# Altium PCB PS__INN3947CQ.PcbDoc (continued)
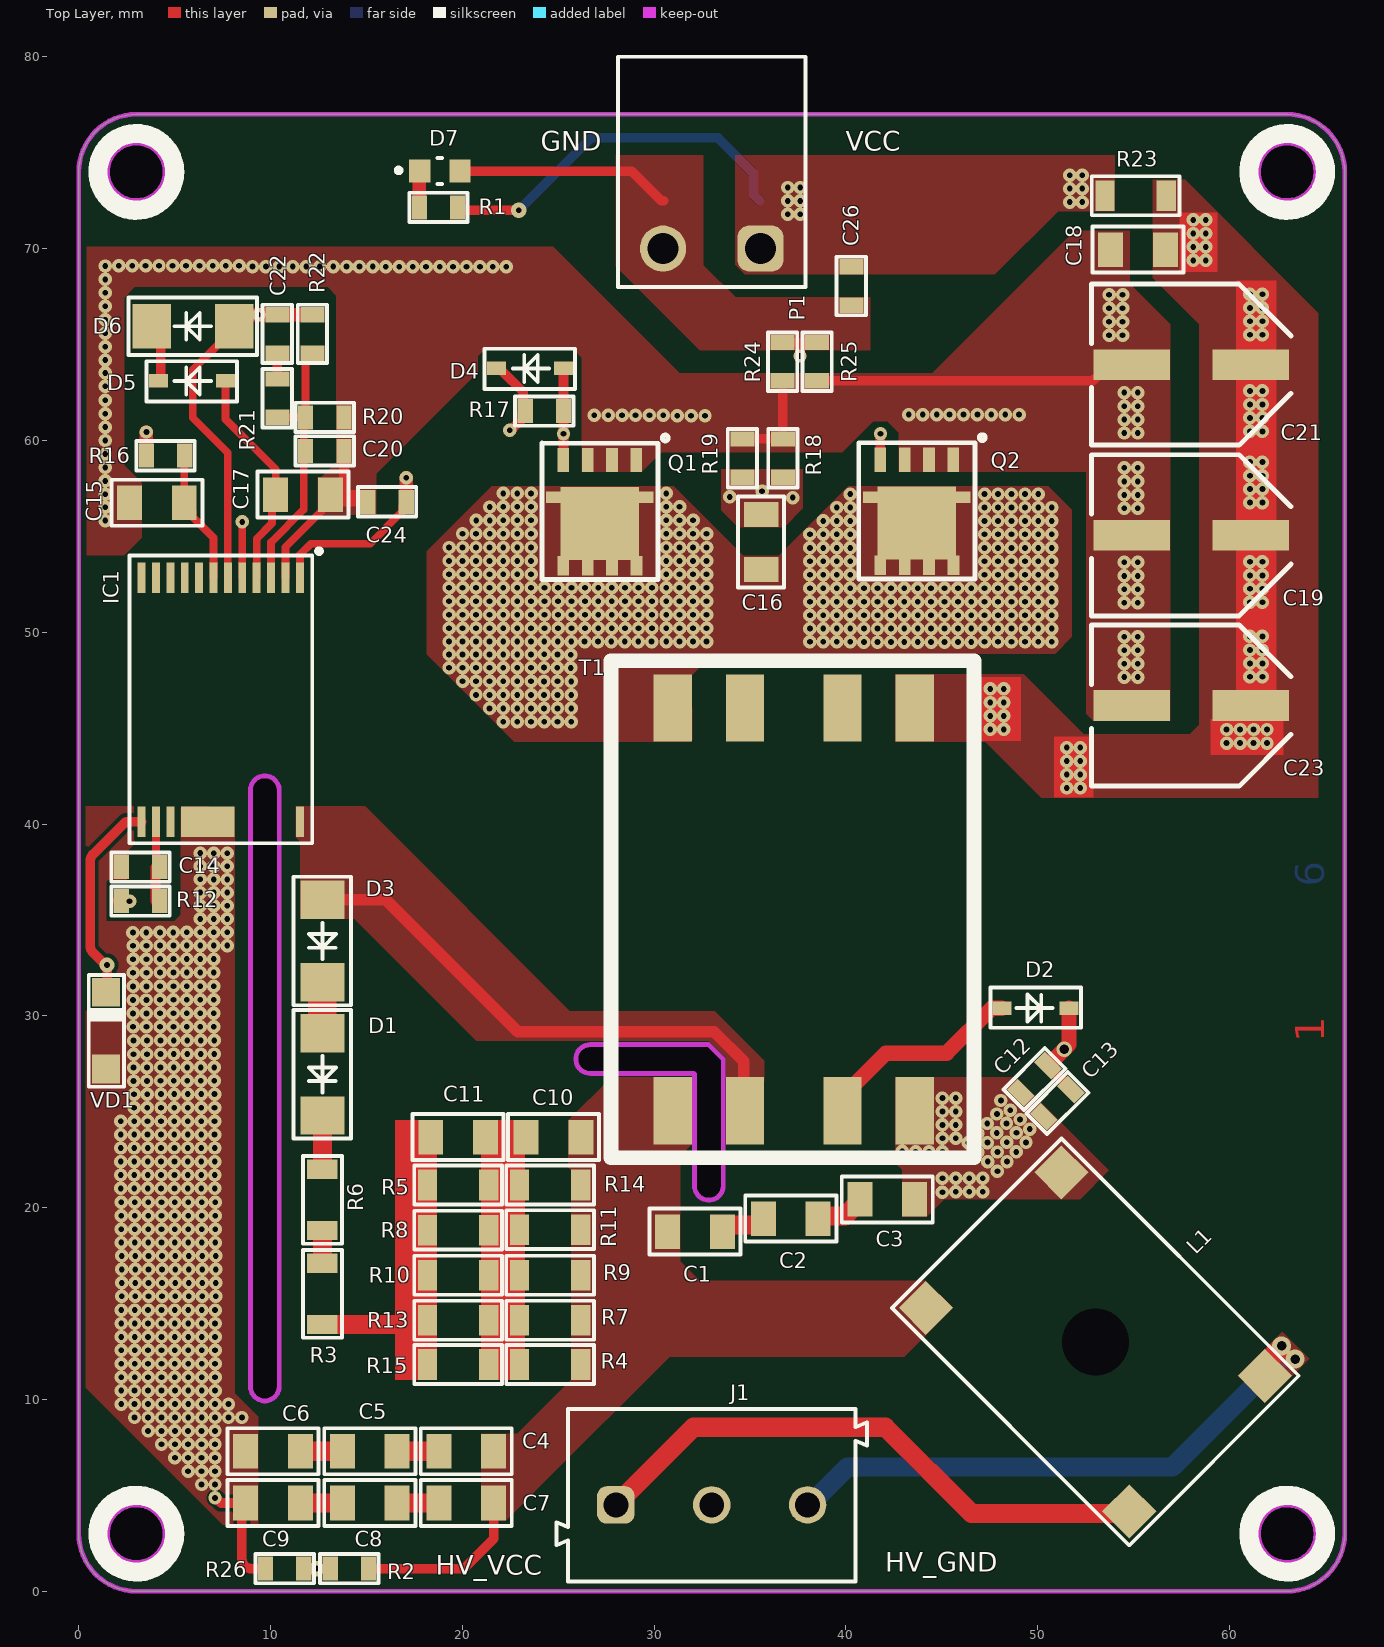
[diagram p0: Top Layer view]
## Components (designator, comment, footprint, x,y, rotation, side; value= is the part's Value field where it differs from the comment)
C1 "68nF 500V" CAP-1206 32.125,18.75 r0 top
C2 "68nF 500V" CAP-1206 37.125,19.425 r0 top
C3 "68nF 500V" CAP-1206 42.15,20.425 r0 top locked
C4 "68nF 500V" CAP-1206 20.202,7.3 r180 top
C5 "68nF 500V" CAP-1206 15.177,7.3 r180 top
C6 "68nF 500V" CAP-1206 10.127,7.3 r180 top
C7 "68nF 500V" CAP-1206 20.202,4.6 r180 top
C8 "68nF 500V" CAP-1206 15.177,4.6 r180 top
C9 "68nF 500V" CAP-1206 10.127,4.6 r180 top
C10 "6.8nF 630V" CAP-1206 24.75,23.675 r180 top
C11 "6.8nF 630V" CAP-1206 19.775,23.675 r180 top
C12 "10uF 50v" CAP-0805 49.825,26.7 r45 top
C13 "10uF 50v" CAP-0805 51.025,25.45 r45 top
C14 "4.7uF" CAP-0805 3.216,37.75 r0 top
C15 "330pF 630V" CAP-1206 4.075,56.75 r180 top
C16 "1500pF 630V" CAP-1206 35.57,54.7 r270 top
C17 "2,2uF" CAP-1206 11.69,57.175 r0 top
C18 "470nF 100V" CAP-1206 55.225,69.95 r0 top locked
C19 "470uF 25V" CAPPOL_SMD_SIZE_E 58,55.05 r180 top locked
C20 "330pF" CAP-0805 12.825,59.45 r0 top
C21 "470uF 25V" CAPPOL_SMD_SIZE_E 58,63.95 r180 top locked
C22 "10nF" CAP-0805 10.349,65.55 r90 top
C23 "470uF 25V" CAPPOL_SMD_SIZE_E 58,46.175 r180 top locked
C24 "330pF 16V" CAP-0805 16.075,56.8 r180 top
C26 "100nF 25V" CAP-0805 40.275,68.05 r270 top
D1 "NRVUS2MA" "DO-214AC, SMA" 12.7,26.95 r90 top
D2 "BAS21GWX" SOD-123 49.876,30.4 r180 top
D3 "NRVUS2MA" "DO-214AC, SMA" 12.7,33.9 r90 top
D4 "4148" SOD-123 23.525,63.751 r0 top
D5 "PDZ15BGWJ" SOD-123 5.9,63.1 r0 top
D6 "SS14" "DO-214AC, SMA" 5.95,65.95 r0 top
D7 "151031YS06000" LED_BLUE 18.825,74.05 r0 top
IC1 "INN3947CQ" INN3947CQ 7.4,46.425 r90 top locked
J1 "691101710003" 691101710003 33,5 r0 top locked
L1 "L_13x13mm" L_13x13mm 53,13 r135 top locked
P1 "691701530002B" 691701530002B 33,74 r180 top
Q1 "DMT15H017LPS" DMT15H017LPS_SWP 27.167,56.275 r180 top
Q2 "DMT15H017LPS" DMT15H017LPS_SWP 43.692,56.295 r180 top
R1 "10K" RES-0805 18.75,72.15 r0 top
R2 "1M" RES-0805 14.109,1.18 r180 top
R3 "7.5" RES-1206 12.7,15.5 r270 top
R4 "390K" RES-1206 24.575,11.825 r180 top
R5 "390K" RES-1206 19.775,21.175 r180 top
R6 "7.5" RES-1206 12.7,20.4 r270 top
R7 "390K" RES-1206 24.575,14.125 r180 top
R8 "390K" RES-1206 19.775,18.825 r180 top
R9 "390K" RES-1206 24.575,16.475 r180 top
R10 "390K" RES-1206 19.775,16.475 r180 top
R11 "390K" RES-1206 24.575,18.85 r180 top
R12 "8.2K" RES-0805 3.216,35.975 r180 top
R13 "390K" RES-1206 19.775,14.125 r180 top
R14 "390K" RES-1206 24.575,21.175 r180 top
R15 "390K" RES-1206 19.775,11.825 r180 top
R16 "100" RES-0805 4.524,59.2 r180 top
R17 "4,7" RES-0805 24.275,61.526 r0 top
R18 "12" RES-0805 36.705,59.075 r270 top
R19 "12" RES-0805 34.595,59.075 r270 top
R20 "9.1K" RES-0805 12.825,61.2 r0 top
R21 "10K" RES-0805 10.35,62.2 r90 top
R22 "100K" RES-0805 12.175,65.55 r90 top
R23 "0 Ohm   1%" RES-1206 55.1,72.753 r0 top
R24 "0.027" RES-0805 36.695,64.1 r270 top
R25 "0.027" RES-0805 38.495,64.1 r270 top
R26 "210K" RES-0805 10.734,1.18 r180 top
T1 "RM-6" TRANS_RM6 37.275,35.55 r90 top
VD1 "ZENER" SOD-80 1.425,29.225 r270 top

## Footprints (in the part's own frame and the unit in brackets; to place one, negate y for a bottom-side part, rotate by r counter-clockwise, add the part's x,y. Pads: shape width x height; smd on the part's side, far side on the other; paste and mask are expansions set on the pad)
691101710003 [mm] "5,00mm - modular - blue - Horizontal entry with pressure clamp - 12,6mm height - 03p"
  rrect50% 1.95x1.95 hole 1.3: 1(-5,-0.5)
  round 1.95 hole 1.3: 2(0,-0.5) 3(5,-0.5)
  silkscreen extent -8.1,-4.5 8.1,4.5, body extent -8.1,-4.5 8.1,4.5, height 12.65
691701530002B [mm] "THR - 5,08mm - PCB Horizontal Open - 02p"
  rrect50% 2.4x2.4 hole 1.6: 1(-2.54,4)
  round 2.4 hole 1.6: 2(2.54,4)
  silkscreen extent -4.88,-6 4.88,6, body extent -4.9,-6 4.86,6, height 8.6
CAP-0805 [mm]
  rect 0.8x1.25 smd mask+0.015: 1(-1,0) 2(1,0)
  silkscreen extent -1.52,-0.76 1.52,0.76, body extent -1,-0.62 1,0.63, height 0.8
CAP-1206 [mm]
  rect 1.3x1.8 smd: 1(-1.425,0) 2(1.425,0)
  silkscreen extent -2.37,-1.2 2.37,1.2, body extent -1.68,-0.87 1.67,0.87, height 0.95
CAPPOL_SMD_SIZE_E [mm]
  rect 4x1.6 smd: 1(-3.1,0) 2(3.1,0)
  silkscreen extent -5.2,-4.2 5.2,4.2, body extent -4.5,-4.15 4.5,4.15, height 6.2
DMT15H017LPS_SWP [mm]
  rect 0.61x1.27 smd: 1(1.905,-2.7) 3(-1.905,-2.7) 3(-0.635,-2.7) 3(0.635,-2.7)
  rect 0.61x1.02 smd: 2(-1.908,2.8) 2(-0.638,2.8) 2(0.632,2.8) 2(1.902,2.8)
  rect 4.1x3.81 smd: 2(0,0.6)
  rect 5.61x0.6 smd: 2(0,-0.75)
  silkscreen extent -3.56,-4 3.03,3.52, body extent -2.6,-3.3 2.6,3.31, height 1
"DO-214AC, SMA" [mm]
  rect 2x2.3 smd: 1(-2.15,0) 2(2.15,0)
  silkscreen extent -3.35,-1.5 3.35,1.5, body extent -2.74,-1.4 2.74,1.4, height 2.24
INN3947CQ [mm]
  rect 1.6x0.41 smd: 1(6.41,-4.125) 2(6.41,-3.375) 3(6.41,-2.625) 4(6.41,-1.875) 5(6.41,-1.125) 6(6.41,-0.375) 7(6.41,0.375) 8(6.41,1.125) 9(6.41,1.875) 10(6.41,2.625) 11(6.41,3.375) 12(6.41,4.125) 13(-6.31,4.125) 14(-6.31,3.375) 15(-6.31,2.625) 24(-6.31,-4.125)
  rect 1.6x2.81 smd: 16(-6.31,0.675)
  silkscreen extent -7.42,-5.25 7.92,4.75, body extent -6.72,-4.7 6.72,4.7, height 1.6
L_13x13mm [mm]
  round 2 hole 3.5: 0(0,0)
  rect 2x2 smd: 1(-7.5,5) 2(7.5,5) 3(-7.5,-5) 4(7.5,-5)
  silkscreen extent -8.75,-6.25 8.75,6.25, body extent -12.6,-12.56 12.6,12.56, height 7.5
LED_BLUE [mm]
  rect 1.1x1.2 smd paste+0 mask+0: 1(-1.05,0) 2(1.05,0)
  silkscreen extent -2.27,-0.67 0.13,0.67, body extent -1,-0.63 1,0.63, height 0.8
RES-0805 [mm]
  rect 0.8x1.25 smd mask+0.015: 1(-1,0) 2(1,0)
  silkscreen extent -1.52,-0.76 1.52,0.76, body extent -1,-0.62 1,0.63, height 0.6
RES-1206 [mm]
  rect 1x1.6 smd: 1(-1.6,0) 2(1.6,0)
  silkscreen extent -2.29,-1.02 2.29,1.02, body extent -1.6,-0.8 1.6,0.8, height 0.6
SOD-80 [mm]
  rect 1.5x1.45 smd: 1(-2,0) 2(2,0)
  silkscreen extent -2.9,-0.9 2.93,0.92, body extent -1.88,-0.79 1.82,0.79, height 1.6
SOD-123 [mm]
  rect 1x0.7 smd: 1(-1.75,0) 2(1.75,0)
  silkscreen extent -2.37,-1.08 2.35,1.02, body extent -1.98,-0.85 1.98,0.85, height 1.45
TRANS_RM6 [mm]
  rect 3.5x2 smd: 1(-10.5,6.3) 2(-10.5,2.54) 3(-10.5,-2.54) 4(-10.5,-6.3) 5(10.5,-6.3) 6(10.5,-2.54) 7(10.5,2.54) 8(10.5,6.3)
  silkscreen extent -12.95,-9.4 12.95,9.53, body extent -11,-9.08 11,9.08, height 12.68

## Part data
C1 C2 C3 C4 C5 C6 C7 C8 C9 C10 C11 C12 C13 C14 C15 C16 C17 C18 C20 C22 C24 C26: library part CAP-NON-POLAR
C19 C21 C23: library part CAP-POLAR
D1 D2 D3 D4 D5 D6: library part DIODE
D7: library part LED, "WURTH ELEKTRONIK - 151031YS06000 - LED, Yellow, Through Hole, T-1 (3mm), 30 mA, 2 V, 590 nm", Manufacturer_Name="Wurth Elektronik", Mouser Part Number=710-151031YS06000, Datasheet Link=https://katalog.we-online.de/led/datasheet/151031YS06000.pdf, Geometry.Height=5.5mm, Manufacturer_Part_Number=151031YS06000, Mouser Price/Stock=https://www.mouser.co.uk/ProductDetail/Wurth-Elektronik/151031YS06000?qs=LlUlMxKIyB3xSYYW%252BcuBiQ%3D%3D
J1: "WR-TBL Series 101 Horizontal Entry Modular, THT, pitch 5mm, 3p", Manufacturer="Wurth Elektronik", Operating Temperature Max=105°C, Operating Temperature Min=-40°C, Rated Current=16A, Working Voltage=250V, Application="Pressure Clamp", Category="Terminal Blocks", ComponentLink1Description="Website Link", ComponentLink1URL=https://www.we-online.com/redexpert/article/691101710003?ad, ComponentLink2Description="Datasheet Link", ComponentLink2URL=https://www.we-online.com/redexpert/spec/691101710003?ad, Manufacturer Part Number=691101710003, Match Code=WR-TBL, Modularity=Yes, Mount="Through Hole", Number of Pins=3, Number of Rows=1, Orientation=Horizontal, Packaging=Box, Pitch=5mm
P1: "WR-TBL Series 7015B Open Horizontal PCB Header, SMT, pitch 5.08mm, 2p", Manufacturer="Wurth Elektronik", Operating Temperature Max=105°C, Operating Temperature Min=-40°C, Rated Current=10A, Working Voltage=300V, Application=Pluggable, Category="Terminal Blocks", ComponentLink1Description="Website Link", ComponentLink1URL=https://www.we-online.com/redexpert/article/691701530002B?ad, ComponentLink2Description="Datasheet Link", ComponentLink2URL=https://www.we-online.com/redexpert/spec/691701530002B?ad, Manufacturer Part Number=691701530002B, Match Code=WR-TBL, Modularity=No, Mount="Surface Mount", Number of Pins=2, Number of Rows=1, Orientation=Horizontal, Packaging=Box, Pitch=5.08mm
R1 R2 R3 R4 R5 R6 R7 R8 R9 R10 R11 R12 R13 R14 R15 R16 R17 R18 R19 R20 R21 R22 R23 R24 R25 R26: library part RES-CONST
T1: library part RM_6_12-12-18-18

## Via types
v1: diameter 0.7, hole 0.3, Top Layer to Bottom Layer, tented both sides, 938 vias
v2: diameter 0.8, hole 0.3, Top Layer to Bottom Layer, tented both sides, 3 vias
v3: diameter 1, hole 0.5, Top Layer to Bottom Layer, tented both sides, 2 vias
v4: diameter 0.8, hole 0.5, Top Layer to Bottom Layer, tented both sides, 1 vias

## Nets (pads, with @x,y where several pads share a name; then routed paths per layer and width w, separated by ;. In a path a pad name is that pad's centre, name@x,y a point inside that pad or via, vN(x,y) a via of type N, cw(c..) or ccw(c..) an arc to the next point about the centre after c; other vN are vias at no path point)
GND: C3.2 C6.2 C9.2 C12.1 C13.1 C14.1 IC1.16 L1.4 R26.2 T1.4 VD1.2 | length 77.3
  Top Layer w0.5: v1(7.102,4.864) 7.156,4.864 7.419,4.6 C9.2 8.508,3.95 8.508,1.679 ccw(c9.008,1.679) 9.008,1.179 R26.2
  Mid-Layer 4 w0.5: 1.8,40.275 1.8,40.825 6.325,45.35 13.209,45.35 22.875,35.684 22.875,25.44 29.215,19.1 46.767,19.1 51.593,23.926
  other v1: 6.402,5.564 7.102,5.564 5.701,6.258 6.402,6.258 7.102,6.258 5.014,6.958 5.701,6.958 6.402,6.958 7.102,6.958 4.314,7.658 5.014,7.658 5.701,7.658 6.402,7.658 7.102,7.658 3.614,8.358 4.314,8.358 5.014,8.358 5.701,8.358 6.402,8.358 7.102,8.358 2.908,9.059 3.614,9.059 4.314,9.059 5.014,9.059 5.714,9.059 6.408,9.059 7.108,9.059 7.808,9.059 8.508,9.059 2.214,9.759 2.908,9.759 3.614,9.759 4.314,9.759 5.014,9.759 5.714,9.759 6.408,9.759 7.108,9.759 7.808,9.759 2.213,10.46 2.908,10.46 3.614,10.46 4.314,10.46 5.014,10.46 5.714,10.46 6.408,10.46 7.108,10.46 2.214,11.159 2.914,11.159 3.614,11.159 4.314,11.159 5.008,11.159 5.708,11.159 6.408,11.159 7.108,11.159 2.214,11.859 2.914,11.859 3.614,11.859 4.314,11.859 5.008,11.859 5.708,11.859 6.408,11.859 7.108,11.859 2.214,12.56 2.914,12.56 3.614,12.56 4.314,12.56 5.008,12.56 5.708,12.56 6.408,12.56 7.108,12.56 2.214,13.259 2.914,13.259 3.614,13.259 4.314,13.259 5.008,13.259 5.708,13.259 6.408,13.259 7.108,13.259 2.214,13.959 2.914,13.959 3.614,13.959 4.314,13.959 5.008,13.959 5.708,13.959 6.408,13.959 7.108,13.959 2.214,14.66 2.914,14.66 3.614,14.66 4.314,14.66 5.008,14.66 5.708,14.66 6.408,14.66 7.108,14.66 2.242,15.375 2.942,15.375 3.642,15.375 4.342,15.375 5.036,15.375 5.736,15.375 6.436,15.375 7.136,15.375 2.242,16.075 2.942,16.075 3.642,16.075 4.342,16.075 5.036,16.075 5.736,16.075 6.436,16.075 7.136,16.075 2.242,16.776 2.942,16.776 3.642,16.776 4.342,16.776 5.036,16.776 5.736,16.776 6.436,16.776 7.136,16.776 2.242,17.483 2.942,17.483 3.642,17.483 4.342,17.483 5.036,17.483 5.736,17.483 6.436,17.483 7.136,17.483 2.217,18.175 2.917,18.175 3.617,18.175 4.317,18.175 5.011,18.175 5.711,18.175 6.411,18.175 7.111,18.175 2.217,18.875 2.917,18.875 3.617,18.875 4.317,18.875 5.011,18.875 5.711,18.875 6.411,18.875 7.111,18.875 2.217,19.576 2.917,19.576 3.617,19.576 4.317,19.576 5.011,19.576 5.711,19.576 6.411,19.576 7.111,19.576 2.217,20.283 2.917,20.283 3.617,20.283 4.317,20.283 5.011,20.283 5.711,20.283 6.411,20.283 7.111,20.283 45.026,20.807 45.725,20.832 46.425,20.832 47.125,20.832 2.192,21 2.892,21 3.592,21 4.292,21 4.986,21 5.686,21 6.386,21 7.086,21 45.026,21.532 45.725,21.532 46.425,21.532 47.125,21.532 2.192,21.7 2.892,21.7 3.592,21.7 4.292,21.7 4.986,21.7 5.686,21.7 6.386,21.7 7.086,21.7 47.893,21.9 2.192,22.401 2.892,22.401 3.592,22.401 4.292,22.401 4.986,22.401 5.686,22.401 6.386,22.401 7.086,22.401 47.393,22.4 48.393,22.4 43.626,22.912 44.326,22.912 45.026,22.912 46.874,22.89 47.893,22.9 48.878,22.906 42.926,22.937 2.192,23.108 2.892,23.108 3.592,23.108 4.292,23.108 4.986,23.108 5.686,23.108 6.386,23.108 7.086,23.108 46.374,23.38 47.374,23.39 48.378,23.406 49.385,23.4 45.026,23.611 45.725,23.611 2.189,23.809 2.889,23.809 3.589,23.809 4.289,23.809 4.983,23.809 5.683,23.809 6.383,23.809 7.083,23.809 46.874,23.88 47.86,23.896 48.885,23.9 49.575,24.093 45.026,24.311 45.725,24.311 47.36,24.385 48.367,24.39 2.189,24.509 2.889,24.509 3.589,24.509 4.289,24.509 4.983,24.509 5.683,24.509 6.383,24.509 7.083,24.509 49.075,24.593 47.867,24.88 45.026,25.011 45.725,25.011 48.569,25.078 2.883,25.201 3.577,25.201 4.289,25.21 4.983,25.21 5.683,25.21 6.383,25.21 7.083,25.21 48.075,25.585 45.026,25.711 45.725,25.711 2.883,25.908 3.577,25.908 4.289,25.917 4.983,25.917 5.683,25.917 6.383,25.917 7.083,25.917 2.858,26.6 3.552,26.6 4.264,26.609 4.958,26.609 5.658,26.609 6.358,26.609 7.058,26.609 2.858,27.3 3.552,27.3 4.264,27.309 4.958,27.309 5.658,27.309 6.358,27.309 7.058,27.309 2.858,28.001 3.552,28.001 4.264,28.01 4.958,28.01 5.658,28.01 6.358,28.01 7.058,28.01 2.858,28.708 3.552,28.708 4.264,28.717 4.958,28.717 5.658,28.717 6.358,28.717 7.058,28.717 2.833,29.425 3.527,29.425 4.239,29.434 4.933,29.434 5.633,29.434 6.333,29.434 7.033,29.434 2.833,30.125 3.527,30.125 4.239,30.134 4.933,30.134 5.633,30.134 6.333,30.134 7.033,30.134 2.833,30.826 3.527,30.826 4.239,30.835 4.933,30.835 5.633,30.835 6.333,30.835 7.033,30.835 2.833,31.533 3.527,31.533 4.239,31.542 4.933,31.542 5.633,31.542 6.333,31.542 7.033,31.542 2.833,32.25 3.527,32.25 4.239,32.259 4.933,32.259 5.633,32.259 6.333,32.259 7.033,32.259 2.833,32.95 3.527,32.95 4.239,32.959 4.933,32.959 5.633,32.959 6.333,32.959 7.033,32.959 2.833,33.651 3.527,33.651 4.239,33.66 4.933,33.66 5.633,33.66 6.333,33.66 7.033,33.66 7.736,33.66 2.825,34.337 3.519,34.337 4.231,34.346 4.925,34.346 5.633,34.36 6.333,34.36 7.033,34.36 7.736,34.36 6.333,35.05 7.033,35.05 7.736,35.05 7.033,35.737 7.736,35.733 6.333,35.741 6.333,36.425 7.033,36.425 7.736,36.425 7.033,37.112 7.736,37.108 6.333,37.116 6.333,37.791 7.033,37.791 7.736,37.791 6.333,38.482 7.033,38.478 7.736,38.474
GND_1: C15.2 C17.2 C18.1 C19.2 C20.2 C21.2 C23.2 C24.2 IC1.2 Q1.3 Q2.3 R18.1 R19.1 R20.2 R24.2 R25.2 | length 33.1
  Top Layer w0.4: IC1.2 10.775,54.432 12.665,56.322 12.665,56.725 C17.2
  Top Layer w0.5: C17.2 13.49,56.8 C24.2 15.075,57.025 14.925,57.175 14.7,57.175 13.925,57.175 13.825,57.275 C20.2 ; R19.1 R18.1 36.695,60.085 R24.2 ; R25.2 52.857,63.1 53.15,63.393 53.15,63.4 53.7,63.95 C21.2
  other v1: 54.508,47.659 55.214,47.659 54.508,48.359 55.214,48.359 54.508,49.06 55.214,49.06 54.508,49.767 55.214,49.767 54.508,51.534 55.214,51.534 54.508,52.234 55.214,52.234 54.508,52.935 55.214,52.935 54.508,53.642 55.214,53.642 1.384,55.817 54.508,56.459 55.214,56.459 1.384,56.517 54.508,57.159 55.214,57.159 1.384,57.186 54.508,57.86 55.214,57.86 1.384,57.886 54.508,58.567 55.214,58.567 1.384,58.586 1.384,59.286 1.384,59.992 54.508,60.384 55.214,60.384 1.384,60.692 54.508,61.084 55.214,61.084 31.2,61.285 31.925,61.285 32.65,61.285 26.875,61.311 27.6,61.311 28.325,61.311 29.025,61.311 29.75,61.311 30.475,61.311 43.275,61.346 44,61.346 44.725,61.346 45.4,61.346 46.125,61.346 46.85,61.346 47.575,61.346 48.3,61.346 49.025,61.346 1.384,61.392 54.508,61.785 55.214,61.785 1.384,62.092 54.508,62.492 55.214,62.492 1.384,62.817 1.384,63.517 1.384,64.186 1.384,64.886 53.715,65.484 54.421,65.484 1.384,65.586 53.715,66.184 54.421,66.184 1.384,66.286 53.715,66.885 54.421,66.885 1.384,66.992 53.715,67.592 54.421,67.592 1.384,67.692 1.384,68.392 9.058,69.059 9.758,69.059 10.458,69.059 11.158,69.059 11.864,69.059 12.564,69.059 13.264,69.059 13.964,69.059 14.633,69.059 15.333,69.059 16.008,69.051 16.708,69.051 17.408,69.051 18.108,69.051 18.814,69.051 19.514,69.051 20.214,69.051 20.914,69.051 21.583,69.051 22.283,69.051 1.384,69.092 2.083,69.109 2.783,69.109 3.483,69.109 4.183,69.109 4.889,69.109 5.589,69.109 6.289,69.109 6.989,69.109 7.658,69.109 8.358,69.109
NetC1_1: C1.1 C4.1 C7.1 C10.1 L1.2 R2.1 R4.1 R7.1 R9.1 R11.1 R14.1 T1.1 | length 9
  Top Layer w0.5: R2.1 20.079,1.179 21.627,2.727 C7.1
NetC1_2: C1.2 C2.1 | length 2.1
  Top Layer w1: C1.2@33.675,19.1 35.4,19.1 35.55,19.25 C2.1@35.55,19.425
NetC2_2: C2.2 C3.1 | length 2.9
  Top Layer w1: C2.2@38.453,19.425 38.453,19.462 38.55,19.559 39.937,19.559 40.403,20.025 40.575,20.025 40.725,20.175 C3.1
NetC4_2: C4.2 C5.1 | length 2.2
  Top Layer w1: C5.1 C4.2
NetC5_2: C5.2 C6.1 | length 2.2
  Top Layer w1: C6.1 C5.2
NetC7_2: C7.2 C8.1 | length 2.2
  Top Layer w1: C8.1 C7.2
NetC8_2: C8.2 C9.1 | length 2.2
  Top Layer w1: C9.1 C8.2
NetC10_2: C10.2 C11.1 R4.2 R5.1 R7.2 R8.1 R9.2 R10.1 R11.2 R13.1 R14.2 R15.1 | length 25.9
  Top Layer w0.5: R15.1 R13.1 R10.1 R8.1 R5.1 21.375,23.5 C11.1 C10.2@22.875,23.675 ; R4.2 22.875,11.925 C10.2@22.875,23.675 ; C10.2 C10.2@22.875,23.675
NetC11_2: C11.2 R3.2 R5.2 R8.2 R10.2 R13.2 R15.2 | length 17.4
  Top Layer w0.5: R15.2 18.175,13.9 R13.2 R10.2 R8.2 R5.2 18.175,23.5 C11.2
  Top Layer w1: R3.2 R13.2@18.175,13.9
NetC12_2: C12.2 C13.2 D2.1 R12.2 | length 85.9
  Top Layer w0.5: R12.2@2,35.975 v1(2.65,35.975) ; C12.2 50.532,27.382 51.732,26.182 C13.2
  Top Layer w0.8: C12.2 v4(51.382,28.257) 51.626,28.501 D2.1
  Mid-Layer 4 w0.5: v1(2.65,35.975) 2.65,40.686 6.614,44.65 12.919,44.65 22.175,35.394 22.175,25.15 28.925,18.4 47.057,18.4 52.293,23.636 52.293,27.282 v4@51.35,28.225
NetC14_2: C14.2 IC1.14 R12.1 | length 4.1
  Top Layer w0.4: C14.2@4.025,37.775 IC1.14
  Top Layer w0.5: R12.1@4,35.975 C14.2@4,37.75
NetC15_1: C15.1 IC1.7 R16.1 | length 7
  Top Layer w0.4: R16.1 5.5,59.176 C15.1 5.95,56.3 5.95,56.005 7.025,54.93 IC1.7
NetC16_1: C16.1 R18.2 R19.2
  other v1: 37.225,57.019 33.935,57.05 35.625,57.345
NetC16_2: C16.2 Q1.2 Q2.2 R16.2 T1.8 | length 21.2
  Top Layer w0.7: R16.2 v1(3.525,60.438)
  Mid-Layer 2 w0.7: v1(3.525,60.438) 19.019,60.438 22.134,57.323 v1(22.134,57.237)
  other v1: 22.134,45.327 22.859,45.327 23.584,45.327 24.265,45.327 24.965,45.327 25.675,45.327 21.417,46.027 22.134,46.027 22.859,46.027 23.584,46.027 24.256,46.027 24.958,46.027 25.671,46.027 20.71,46.728 21.417,46.728 22.134,46.728 22.859,46.728 23.584,46.728 24.256,46.728 24.958,46.73 25.671,46.73 20.009,47.442 20.71,47.442 21.417,47.442 22.134,47.442 22.859,47.442 23.584,47.442 24.256,47.435 24.958,47.442 25.675,47.435 19.309,48.142 20.009,48.142 20.71,48.142 21.417,48.142 22.134,48.142 22.859,48.142 23.584,48.142 24.256,48.16 24.951,48.148 25.65,48.137 19.309,48.842 20.009,48.842 20.71,48.842 21.417,48.842 22.134,48.842 22.859,48.842 23.584,48.842 24.961,48.835 25.65,48.823 24.265,48.85 38.117,49.5 38.817,49.5 39.518,49.5 40.225,49.5 40.936,49.486 41.641,49.486 42.341,49.486 43.041,49.486 43.741,49.486 44.436,49.486 45.136,49.486 45.836,49.486 46.536,49.486 47.225,49.5 47.925,49.5 48.626,49.5 49.333,49.5 50.018,49.5 50.725,49.5 19.309,49.511 20.009,49.511 20.71,49.511 21.417,49.511 22.134,49.511 22.859,49.511 23.584,49.511 24.265,49.511 24.971,49.511 25.671,49.511 26.371,49.511 27.071,49.511 27.765,49.511 28.465,49.511 29.165,49.511 29.865,49.511 30.625,49.511 31.325,49.511 32.026,49.511 32.733,49.511 38.117,50.186 38.817,50.186 39.518,50.186 40.225,50.186 40.936,50.186 41.641,50.186 42.341,50.186 43.041,50.186 43.741,50.186 44.436,50.186 45.136,50.186 45.836,50.186 46.536,50.186 47.225,50.186 47.925,50.186 48.626,50.186 49.333,50.186 50.018,50.186 50.725,50.186 19.309,50.211 20.009,50.211 20.71,50.211 21.417,50.211 22.134,50.211 22.859,50.211 23.584,50.211 24.283,50.211 24.989,50.211 25.689,50.211 26.389,50.211 27.089,50.211 27.783,50.211 28.483,50.211 29.183,50.211 29.883,50.211 30.625,50.211 31.325,50.211 32.026,50.211 32.733,50.211 38.117,50.886 38.817,50.886 39.518,50.886 40.225,50.886 40.936,50.886 41.641,50.886 42.341,50.886 43.041,50.886 43.741,50.886 44.436,50.886 45.136,50.886 45.836,50.886 46.536,50.886 47.225,50.886 47.925,50.886 48.626,50.886 49.333,50.886 50.018,50.886 50.725,50.886 19.309,50.911 20.009,50.911 20.71,50.911 21.417,50.911 22.134,50.911 22.859,50.911 23.584,50.911 24.283,50.911 24.989,50.911 25.689,50.911 26.389,50.911 27.089,50.911 27.783,50.911 28.483,50.911 29.183,50.911 29.883,50.911 30.625,50.911 31.325,50.911 32.026,50.911 32.733,50.911 38.117,51.587 38.817,51.587 39.518,51.587 40.225,51.587 40.936,51.587 41.641,51.587 42.341,51.587 43.041,51.587 43.741,51.587 44.436,51.587 45.136,51.587 45.836,51.587 46.536,51.587 47.225,51.587 47.925,51.587 48.626,51.587 49.333,51.587 50.018,51.587 50.725,51.587 19.309,51.611 20.009,51.611 20.71,51.611 21.417,51.611 22.134,51.611 22.859,51.611 23.584,51.611 24.283,51.611 24.989,51.611 25.689,51.611 26.389,51.611 27.089,51.611 27.783,51.611 28.483,51.611 29.183,51.611 29.883,51.611 30.625,51.611 31.325,51.611 32.026,51.611 32.733,51.611 38.117,52.294 38.817,52.294 39.518,52.294 40.225,52.294 40.936,52.294 41.641,52.294 42.341,52.294 43.041,52.294 43.741,52.294 44.436,52.294 45.136,52.294 45.836,52.294 46.536,52.294 47.225,52.294 47.925,52.294 48.626,52.294 49.333,52.294 50.018,52.294 50.725,52.294 19.309,52.317 20.009,52.317 20.71,52.317 21.417,52.317 22.134,52.317 22.859,52.317 23.584,52.317 24.283,52.317 24.989,52.317 25.689,52.317 26.389,52.317 27.089,52.317 27.783,52.317 28.483,52.317 29.183,52.317 29.883,52.317 30.625,52.317 31.325,52.317 32.026,52.317 32.733,52.317 38.117,52.994 38.817,52.994 39.518,52.994 40.225,52.994 47.225,52.994 47.925,52.994 48.626,52.994 49.333,52.994 50.018,52.994 50.725,52.994 19.309,53.017 20.009,53.017 20.71,53.017 21.417,53.017 22.134,53.017 22.859,53.017 23.584,53.017 30.625,53.017 31.325,53.017 32.026,53.017 32.733,53.017 38.117,53.694 38.817,53.694 39.518,53.694 40.225,53.694 47.225,53.694 47.925,53.694 48.626,53.694 49.333,53.694 50.018,53.694 50.725,53.694 19.309,53.717 20.009,53.717 20.71,53.717 21.417,53.717 22.134,53.717 22.859,53.717 23.584,53.717 30.625,53.717 31.325,53.717 32.026,53.717 32.733,53.717 38.117,54.394 38.817,54.394 39.518,54.394 40.225,54.394 47.225,54.394 47.925,54.394 48.626,54.394 49.333,54.394 50.018,54.394 50.725,54.394 19.309,54.417 20.009,54.417 20.71,54.417 21.417,54.417 22.134,54.417 22.859,54.417 23.584,54.417 30.625,54.417 31.325,54.417 32.026,54.417 32.733,54.417 38.117,55.1 38.817,55.1 39.518,55.1 40.225,55.1 47.225,55.1 47.925,55.1 48.626,55.1 49.333,55.1 50.018,55.1 50.725,55.1 20.006,55.127 20.71,55.127 21.431,55.127 22.134,55.137 22.859,55.137 23.584,55.137 30.625,55.137 31.325,55.137 32.026,55.137 32.733,55.137 38.817,55.8 39.518,55.8 40.225,55.8 47.225,55.8 47.925,55.8 48.626,55.8 49.333,55.8 50.018,55.8 50.725,55.8 20.725,55.827 21.431,55.827 22.134,55.837 22.859,55.837 23.584,55.837 30.625,55.837 31.325,55.837 32.026,55.837 39.518,56.5 40.225,56.5 47.225,56.5 47.925,56.5 48.626,56.5 49.333,56.5 50.018,56.5 50.725,56.5 21.431,56.527 22.134,56.537 22.859,56.537 23.584,56.537 30.625,56.537 31.325,56.537 40.225,57.2 47.225,57.2 47.925,57.2 48.626,57.2 49.333,57.2 50.018,57.2 22.859,57.237 23.584,57.237 30.625,57.237
NetC17_1: C17.1 D5.2 IC1.4 | length 11.7
  Top Layer w0.4: D5.2@7.65,63.047 7.65,61.1 10.265,58.485 C17.1 10.075,56.985 10.075,55.675 9.275,54.875 IC1.4
NetC18_2: C18.2 C19.1 C21.1 C22.2 C23.1 D6.2 IC1.6 R22.2 R23.2 T1.5 | length 69.3
  Top Layer w0.4: IC1.6 7.775,59.35 5.95,61.175 5.95,63.675 7.275,65 7.3,65 8.1,65.8 D6.2
  Top Layer w0.7: D6.2 8.7,66.55 v1(9.375,66.55) C22.2 R22.2
  Mid-Layer 4 w0.5: v1(9.375,66.55) 48.725,66.55 52.259,70.084 v1(58.102,70.084)
  other v1: 51.512,41.877 52.218,41.877 51.512,42.577 52.218,42.577 51.512,43.278 52.218,43.278 51.512,43.985 52.218,43.985 59.84,44.219 60.547,44.219 61.248,44.219 61.948,44.219 47.519,44.933 48.225,44.933 59.84,44.925 60.547,44.925 61.248,44.925 61.948,44.925 47.519,45.633 48.225,45.633 47.519,46.334 48.225,46.334 47.519,47.041 48.225,47.041 61.06,47.671 61.712,47.671 61.06,48.371 61.712,48.371 61.06,49.072 61.712,49.072 61.06,49.779 61.712,49.779 61.06,51.559 61.712,51.559 61.06,52.259 61.712,52.259 61.06,52.96 61.712,52.96 61.06,53.667 61.712,53.667 61.06,56.759 61.712,56.759 61.06,57.459 61.712,57.459 61.06,58.16 61.712,58.16 61.06,58.867 61.712,58.867 61.06,60.469 61.712,60.469 61.06,61.169 61.712,61.169 61.06,61.87 61.712,61.87 61.06,62.577 61.712,62.577 61.06,65.507 61.712,65.507 61.06,66.207 61.712,66.207 61.06,66.908 61.712,66.908 61.06,67.615 61.712,67.615 58.102,69.384 58.754,69.384 58.754,70.084 58.102,70.785 58.754,70.785 58.102,71.492 58.754,71.492
NetC20_1: C20.1 IC1.3 R20.1 R21.1 R22.1 | length 14
  Top Layer w0.4: IC1.3 10.025,54.695 11.73,56.4 11.73,59.45 R20.1@11.73,61.105 ; R21.1@10.225,61.2 R21.1 R20.1@11.635,61.2 ; R20.1 11.825,64.35 12.025,64.55 R22.1
NetC22_1: C22.1 R21.2 | length 1.4
  Top Layer w0.5: R21.2 C22.1
NetC24_1: C24.1 C26.2 D7.2 IC1.1 P1.2 R24.1 R25.1 | length 46.3
  Top Layer w0.4: IC1.1 11.53,52.84 11.53,54.03 12.106,54.606 15.186,54.606 16.875,56.295 16.875,56.6 C24.1
  Top Layer w0.5: D7.2@19.9,74.025 28.838,74.025 30.363,72.5 30.5,72.5 ; R24.1 37.612,65.1 ; v1(37.6,64.4) 37.6,65.088 37.612,65.1 ; R25.1 37.612,65.1
  Top Layer w0.7: C24.1 v1(17.075,58.05)
  Mid-Layer 4 w0.4: v1(17.075,58.05) 18.35,59.325 22.775,59.325 27.85,64.4 v1@37.692,64.4
NetC26_1: C26.1 P1.1 R1.2 R23.1 | length 19.4
  Top Layer w0.5: R1.2 19.9,72 v2(22.941,72)
  Bottom Layer w0.5: v2(22.941,72) 26.716,75.775 33.325,75.775 35.188,73.912 35.188,72.813 35.5,72.5
  other v1: 36.958,71.783 37.61,71.783 51.668,72.426 52.32,72.426 36.958,72.483 37.61,72.483 51.668,73.126 52.32,73.126 36.958,73.184 37.61,73.184 51.668,73.827 52.32,73.827
NetD1_1: D1.1 R6.1 | length 2.8
  Top Layer w1: R6.1 D1.1
NetD1_2: D1.2 D3.1 | length 2.6
  Top Layer w1.5: D1.2 D3.1
NetD2_2: D2.2 T1.3 | length 11
  Top Layer w0.8: T1.3 39.815,25.8 40.415,26.4 40.425,26.4 42.075,28.05 45.25,28.05 47.6,30.4 D2.2
NetD3_2: D3.2 IC1.24 T1.2 | length 28.1
  Top Layer w0.6: D3.2 16.009,36.05 22.884,29.175 33.12,29.175 34.67,27.625 34.67,25.115 T1.2
NetD4_1: D4.1 IC1.5 R17.1 | length 23.2
  Top Layer w0.4: IC1.5 v1(8.525,55.75)
  Top Layer w0.5: D4.1 21.875,63.651 22.049,63.651 23.175,62.525 23.175,61.626 R17.1 23.125,61.376 23.125,61.12 22.568,60.563 22.513,60.563 v1(22.475,60.525)
  Mid-Layer 4 w0.5: v1(8.525,55.75) 13.3,60.525 v1(22.475,60.525)
NetD4_2: D4.2 Q1.1 Q2.1 R17.2 | length 22.6
  Top Layer w0.5: Q1.1@25.27,58.995 v1(25.27,60.35) 25.27,63.746 D4.2 ; Q2.1 41.787,60.337 v1(41.8,60.35)
  Mid-Layer 4 w0.5: v1(25.27,60.35) v1(41.8,60.35)
NetD5_1: D5.1 D6.1 | length 3
  Top Layer w0.5: D5.1@4.275,63.025 4.275,65.95 D6.1@4.3,65.975
NetD7_1: D7.1 R1.1 | length 1.9
  Top Layer w0.7: R1.1 17.75,74.025 D7.1
NetIC1_13: IC1.13 R2.2 R26.1 VD1.1 | length 51.1
  Top Layer w0.5: VD1.1@0.95,31.725 VD1.1 1.475,31.275 v2(1.475,32.65) cw(c1.623,33.127) 1.272,32.772 0.825,33.219 0.738,33.305 cw(c1.092,33.659) 0.592,33.659 0.592,38.06 cw(c1.092,38.06) 0.738,38.413 2.44,40.115 IC1.13 ; R26.1 v2(12.397,1.179) R2.2
  Mid-Layer 1 w0.5: v2(1.475,32.65) 1.295,32.47 ccw(c1.649,32.117) 1.149,32.117 1.149,9.241 ccw(c1.649,9.241) 1.295,8.889 1.296,8.888 8.859,1.324 ccw(c9.211,1.679) 9.209,1.179 v2(12.397,1.179)
NetJ1_1: J1.1 L1.1 | length 30.3
  Top Layer w1: J1.1@28,4.675 28.175,4.675 28.65,5.15 32.05,8.55 42.05,8.55 46.55,4.05 L1.1@54.829,4.05
NetJ1_3: J1.3 L1.3 | length 30.4
  Top Layer w1: L1.3 61.839,11.864 62.707,12.732 v3(62.707,12.794)
  Bottom Layer w1: J1.3 38.1,4.5 40.075,6.475 57.025,6.475 62.707,12.157 v3(62.707,12.794)
  other v3: 63.416,12.102
NetR3_1: R3.1 R6.2 | length 1.7
  Top Layer w1: R3.1 R6.2
pads on no net: IC1.8 IC1.9 IC1.10 IC1.11 IC1.12 IC1.15 J1.2 L1.0 T1.6 T1.7

## Polygon pours and split planes (outlines as drawn)
GND on Top Layer "NONET_L-01_P-001" (solid, pour order 51): 8.13,40.873 8.13,10.32 9.352,9.098 9.352,3.475 7.5,3.475 0.375,10.6 0.375,40.915 3.48,40.915 3.48,39.1 3.05,39.1 2.5,38.55 2.5,37.1 1.525,37.1 1.425,37 1.425,34.925 4.975,34.925 5.32,35.27 5.32,40.915
NetC26_1 on Top Layer "NONET_L-01_P-001" (solid, pour order 41): 54.003,71.953 54.003,74.875 34.225,74.875 34.225,71.135 36.71,68.65 47.75,68.65 51.053,71.953
NetC26_1 on Top Layer "NONET_L-01_P-001" (solid, pour order 40): 54.003,71.953 54.003,74.875 34.225,74.875 34.225,69.15 34.725,68.65 47.75,68.65 51.053,71.953
NetC24_1 on Top Layer "NONET_L-01_P-001" (solid, pour order 31): 28,74.875 28,69.082 32.382,64.7 41.275,64.7 41.275,67.45 34.25,67.45 32.566,69.134 32.566,74.875
NetJ1_3 on Top Layer "NONET_L-01_P-001" (solid, pour order 53): 60.425,11.232 62.734,13.541 64.148,12.127 61.839,9.818
NetC16_2 on Top Layer "NONET_L-01_P-001" (solid, pour order 50): 31.975,44.3 22.7,44.3 18.15,48.85 18.15,54.225 21.525,57.6 31.025,57.6 34.65,53.975 36.5,53.975 40.125,57.6 50.55,57.6 51.775,56.375 51.775,49.75 50.9,48.875 33.088,48.875 31.963,47.75
GND_1 on Top Layer "NONET_L-01_P-001" (solid, pour order 43): 2.36,54.01 0.425,54.01 0.425,70.1 15.5,70.1 15.5,56.115 12.625,56.115 12.465,56.275 12.465,58.075 12.646,58.075 13.425,58.854 13.425,67.55 12.975,68 2.925,68 2.36,67.435 2.36,58.715 3.276,57.799 3.276,54.926
GND_1 on Top Layer "NONET_L-01_P-001" (solid, pour order 35): 31.324,63.501 44.501,63.501 51.925,70.925 54.75,70.925 54.75,63.474 52.776,61.5 52.776,58.36 42.759,58.36 42.759,60.391 42.15,61 41.425,61 39.798,59.373 30.371,59.373 29.358,58.36 26.235,58.36 26.235,64.311 25.796,64.75 21.175,64.75 20.8,64.375 20.8,63.55 14.675,57.425 14.675,70.1 24.725,70.1
GND_1 on Top Layer "NONET_L-01_P-001" (solid, pour order 34): 56.9,45.375 52.9,45.375 52.525,45.75 52.525,70.925 54.79,70.925 54.79,68.16 56.9,66.05
NetC16_1 on Top Layer "NONET_L-01_P-001" (solid, pour order 29): 34.37,55.475 33.5,56.346 33.5,58.5 37.75,58.5 37.75,56.45 36.775,55.475
NetC18_2 on Top Layer "NONET_L-01_P-001" (solid, pour order 21): 57.925,44.675 52.4,44.675 49.275,47.8 42.575,47.8 42.575,44.3 47.251,44.3 50.176,41.375 64.625,41.375 64.625,66.625 57.697,73.578 56,73.578 56,68.475 58.425,66.05 58.425,45.175
GND on Top Layer "NONET_L-01_P-001" (solid, pour order 12): 45.122,20.448 52.209,20.448 53.705,21.945 48.85,26.8 44.575,26.8 42.575,26.8 42.575,22.325 42.925,21.975 42.925,19.525 44.199,19.525
NetC1_1 on Top Layer "NONET_L-01_P-001" (solid, pour order 4): 31.975,26.8 27.775,26.8 25.525,24.55 25.525,22.093 25.675,21.943 25.675,11.025 22.85,8.2 20.95,8.2 20.977,8.173 20.977,3.7 22.277,3.7 24.175,5.598 30.813,12.236 43.044,12.236 45.575,14.768 44.161,16.182 32.368,16.182 31.35,17.2 31.35,22.698 31.952,23.3
NetD3_2 on Top Layer "NONET_L-01_P-001" (solid, pour order 1): 11.55,35.05 11.55,39.085 11.32,39.315 11.32,40.915 12.06,40.915 14.944,40.915 25.608,30.25 33.15,30.25 35.733,27.667 35.733,26.601 33.735,26.599 33.735,27.815 32.85,28.7 20.724,28.7 14.374,35.05
no net on Top Solder "NONET_L-01_P-001" (solid): 63,38.25 63,28 65.4,28 65.4,38.25
NetC26_1 on Mid-Layer 4 "NONET_L-01_P-001" (solid, pour order 32): 54.003,71.953 54.003,74.875 34.225,74.875 34.225,69.118 34.693,68.65 47.75,68.65 51.053,71.953
GND on Mid-Layer 4 "NONET_L-01_P-001" (solid, pour order 7): 8.13,40.915 8.13,10.32 9.352,9.098 9.352,3.475 7.5,3.475 0.375,10.6 0.375,40.915 3.48,40.915 5.32,40.915
GND_1 on Mid-Layer 4 "NONET_L-01_P-001" (solid, pour order 33): 0.425,54.01 15.689,54.03 21.034,59.375 50.453,59.375 52.528,57.3 52.525,57.297 52.525,49.3 51.025,47.8 42.575,47.8 42.575,44.3 47.251,44.3 50.176,41.375 64.625,41.375 64.625,66.625 57.697,73.578 56,73.578 55.984,70.925 51.925,70.925 48.375,67.375 27.45,67.375 24.725,70.1 0.425,70.1
NetC16_1 on Mid-Layer 4 "NONET_L-01_P-001" (solid, pour order 27): 34.37,55.475 33.5,56.346 33.5,58.5 37.75,58.5 37.75,56.45 36.775,55.475
NetC16_1 on Mid-Layer 4 "NONET_L-01_P-001" (solid, pour order 26): 34.37,55.475 33.5,56.346 33.5,58.5 37.75,58.5 37.75,56.45 36.775,55.475
NetC16_2 on Mid-Layer 4 "NONET_L-01_P-001" (solid, pour order 18): 31.975,44.3 22.7,44.3 18.15,48.85 18.15,54.225 21.525,57.6 31.025,57.6 34.65,53.975 36.5,53.975 40.125,57.6 50.55,57.6 51.775,56.375 51.775,49.75 50.9,48.875 33.088,48.875 31.963,47.75
GND on Mid-Layer 4 "NONET_L-01_P-001" (solid, pour order 11): 46.889,18.85 51.825,23.786 51.825,26.8 44.575,26.8 42.575,26.8 42.575,22.325 42.925,21.975 42.925,18.85
no net on Bottom Solder "NONET_L-01_P-001" (solid): 63,38.25 63,28 65.4,28 65.4,38.25
NetC26_1 on Bottom Layer "NONET_L-01_P-001" (solid, pour order 42): 54.003,71.953 54.003,74.875 34.225,74.875 34.225,69.12 34.695,68.65 47.75,68.65 51.053,71.953
NetJ1_3 on Bottom Layer "NONET_L-01_P-001" (solid, pour order 52): 60.425,11.232 62.731,13.538 64.145,12.124 61.839,9.818
GND_1 on Bottom Layer "NONET_L-01_P-001" (solid, pour order 49): 31.327,63.523 44.504,63.523 51.928,70.947 54.753,70.947 54.753,63.496 52.779,61.522 52.779,58.382 42.762,58.382 42.762,60.413 42.153,61.022 41.428,61.022 39.778,59.373 30.351,59.373 29.36,58.382 26.238,58.382 20.033,58.382 15.692,54.052 15.692,70.122 24.728,70.122
GND_1 on Bottom Layer "NONET_L-01_P-001" (solid, pour order 48): 56.903,45.397 52.903,45.397 52.528,45.772 52.528,70.947 54.792,70.947 54.792,68.183 56.903,66.072
GND_1 on Bottom Layer "NONET_L-01_P-001" (solid, pour order 47): 2.363,54.032 0.428,54.032 0.428,70.122 15.728,70.122 15.728,54.032
GND on Bottom Layer "NONET_L-01_P-001" (solid, pour order 5): 48.94,26.81 51.825,23.925 51.825,20.975 40.559,9.709 28.284,9.709 22.05,3.475 7.5,3.475 7.5,3.5 0.375,10.6 0.375,40.912 8.13,40.912 8.13,10.32 9.175,9.275 10.425,9.275 20.775,19.625 38.947,19.625 42.575,23.253 42.57,26.81 47.925,26.81
NetC18_2 on Bottom Layer "NONET_L-01_P-001" (solid, pour order 13): 57.925,44.675 52.4,44.675 49.275,47.8 42.575,47.8 42.575,44.3 47.251,44.3 50.176,41.375 64.625,41.375 64.625,66.625 57.697,73.578 56,73.578 56,68.45 58.425,66.025 58.425,45.175
NetC16_1 on Bottom Layer "NONET_L-01_P-001" (solid, pour order 28): 34.37,55.475 33.5,56.346 33.5,58.5 37.75,58.5 37.75,56.45 36.775,55.475
NetC16_2 on Bottom Layer "NONET_L-01_P-001" (solid, pour order 19): 31.975,44.3 22.7,44.3 18.15,48.85 18.15,54.225 21.525,57.6 31.025,57.6 34.65,53.975 36.5,53.975 40.125,57.6 50.55,57.6 51.775,56.375 51.775,49.75 50.9,48.875 33.088,48.875 31.963,47.75
GND on Mid-Layer 1 "NONET_L-01_P-001" (solid, pour order 8): 8.13,40.915 8.13,10.32 9.352,9.098 9.352,3.475 7.5,3.475 0.375,10.6 0.375,40.915 3.48,40.915 5.32,40.915
NetC26_1 on Mid-Layer 1 "NONET_L-01_P-001" (solid, pour order 37): 54.003,71.953 54.003,74.875 34.225,74.875 34.225,69.15 34.725,68.65 47.75,68.65 51.053,71.953
GND_1 on Mid-Layer 1 "NONET_L-01_P-001" (solid, pour order 36): 0.425,54.01 15.689,54.03 21.034,59.375 50.453,59.375 52.528,57.3 52.525,57.297 52.525,49.3 51.025,47.8 42.575,47.8 42.575,44.3 47.251,44.3 50.176,41.375 64.625,41.375 64.625,66.625 57.697,73.578 56,73.578 55.984,70.925 51.925,70.925 48.375,67.375 27.45,67.375 24.725,70.1 0.425,70.1
NetC16_1 on Mid-Layer 1 "NONET_L-01_P-001" (solid, pour order 16): 34.37,55.475 33.5,56.346 33.5,58.5 37.75,58.5 37.75,56.45 36.775,55.475
NetC16_2 on Mid-Layer 1 "NONET_L-01_P-001" (solid, pour order 14): 31.975,44.3 22.7,44.3 18.15,48.85 18.15,54.225 21.525,57.6 31.025,57.6 34.65,53.975 36.5,53.975 40.125,57.6 50.55,57.6 51.775,56.375 51.775,49.75 50.9,48.875 33.088,48.875 31.963,47.75
GND on Mid-Layer 1 "NONET_L-01_P-001" (solid, pour order 0): 45.122,20.448 52.209,20.448 53.705,21.945 48.85,26.8 44.575,26.8 42.575,26.8 42.575,22.325 42.925,21.975 42.925,19.525 44.199,19.525
NetC26_1 on Mid-Layer 2 "NONET_L-01_P-001" (solid, pour order 38): 54.003,71.953 54.003,74.875 34.225,74.875 34.225,69.125 34.7,68.65 47.75,68.65 51.053,71.953
GND_1 on Mid-Layer 2 "NONET_L-01_P-001" (solid, pour order 30): 31.324,63.501 44.501,63.501 51.925,70.925 54.75,70.925 54.75,63.474 52.776,61.5 52.776,58.36 42.759,58.36 42.759,60.391 42.15,61 41.425,61 39.8,59.375 30.373,59.375 29.358,58.36 26.235,58.36 20.03,58.36 15.689,54.03 15.689,70.1 24.725,70.1
GND_1 on Mid-Layer 2 "NONET_L-01_P-001" (solid, pour order 15): 56.9,45.375 52.9,45.375 52.525,45.75 52.525,70.925 54.79,70.925 54.79,68.16 56.9,66.05
GND_1 on Mid-Layer 2 "NONET_L-01_P-001" (solid, pour order 3): 2.36,54.01 0.425,54.01 0.425,70.1 15.725,70.1 15.725,54.01
GND on Mid-Layer 2 "NONET_L-01_P-001" (solid, pour order 2): 8.13,40.915 8.13,10.32 9.352,9.098 9.352,3.475 7.5,3.475 0.375,10.6 0.375,40.915 3.48,40.915 5.32,40.915
NetC18_2 on Mid-Layer 2 "NONET_L-01_P-001" (solid, pour order 22): 57.925,44.675 52.4,44.675 49.275,47.8 42.575,47.8 42.575,44.3 47.251,44.3 50.176,41.375 64.625,41.375 64.625,66.625 57.697,73.578 56,73.578 56,68.506 58.417,66.088 58.417,45.167
NetC16_1 on Mid-Layer 2 "NONET_L-01_P-001" (solid, pour order 24): 34.37,55.475 33.5,56.346 33.5,58.5 37.75,58.5 37.75,56.45 36.775,55.475
NetC16_2 on Mid-Layer 2 "NONET_L-01_P-001" (solid, pour order 17): 31.975,44.3 22.7,44.3 18.15,48.85 18.15,54.225 21.525,57.6 31.025,57.6 34.65,53.975 36.5,53.975 40.125,57.6 50.55,57.6 51.775,56.375 51.775,49.75 50.9,48.875 33.088,48.875 31.963,47.75
GND on Mid-Layer 2 "NONET_L-01_P-001" (solid, pour order 9): 45.122,20.448 52.209,20.448 53.705,21.945 48.85,26.8 44.575,26.8 42.575,26.8 42.575,22.325 42.925,21.975 42.925,19.525 44.199,19.525
NetC26_1 on Mid-Layer 3 "NONET_L-01_P-001" (solid, pour order 39): 54.003,71.953 54.003,74.875 34.225,74.875 34.225,69.108 34.683,68.65 47.75,68.65 51.053,71.953
GND on Mid-Layer 3 "NONET_L-01_P-001" (solid, pour order 6): 8.13,40.915 8.13,10.32 9.352,9.098 9.352,3.475 7.5,3.475 0.375,10.6 0.375,40.915 3.48,40.915 5.32,40.915
NetC16_2 on Mid-Layer 3 "NONET_L-01_P-001" (solid, pour order 20): 31.975,44.3 22.7,44.3 18.15,48.85 18.15,54.225 21.525,57.6 31.025,57.6 34.65,53.975 36.5,53.975 40.125,57.6 50.55,57.6 51.775,56.375 51.775,49.75 50.9,48.875 33.088,48.875 31.963,47.75
GND_1 on Mid-Layer 3 "NONET_L-01_P-001" (solid, pour order 46): 31.327,63.523 44.504,63.523 51.928,70.947 54.753,70.947 54.753,63.496 52.779,61.522 52.779,58.382 42.762,58.382 42.762,60.413 42.153,61.022 41.428,61.022 39.778,59.373 30.351,59.373 29.36,58.382 26.238,58.382 20.033,58.382 15.692,54.052 15.692,70.122 24.728,70.122
GND_1 on Mid-Layer 3 "NONET_L-01_P-001" (solid, pour order 45): 56.903,45.397 52.903,45.397 52.528,45.772 52.528,70.947 54.792,70.947 54.792,68.183 56.903,66.072
GND_1 on Mid-Layer 3 "NONET_L-01_P-001" (solid, pour order 44): 2.363,54.032 0.428,54.032 0.428,70.122 15.728,70.122 15.728,54.032
NetC16_1 on Mid-Layer 3 "NONET_L-01_P-001" (solid, pour order 25): 34.37,55.475 33.5,56.346 33.5,58.5 37.75,58.5 37.75,56.45 36.775,55.475
NetC18_2 on Mid-Layer 3 "NONET_L-01_P-001" (solid, pour order 23): 57.918,44.675 52.4,44.675 49.275,47.8 42.575,47.8 42.575,44.3 47.251,44.3 50.176,41.375 64.625,41.375 64.625,66.625 57.697,73.578 56,73.578 56,68.475 58.417,66.058 58.417,45.174
GND on Mid-Layer 3 "NONET_L-01_P-001" (solid, pour order 10): 45.122,20.448 52.209,20.448 53.705,21.945 48.85,26.8 44.575,26.8 42.575,26.8 42.575,22.325 42.925,21.975 42.925,19.525 44.199,19.525

## Keep-outs
Keep-Out Layer:
  circle w0.254: c63,74 r1.5
  circle w0.254: c3,74 r1.5
  circle w0.254: c3,3 r1.5
  circle w0.254: c63,3 r1.5
  lines w0.254: 3,77 63,77 ; 3,77 ccw(c3,74) 0,74 0,3 ccw(c3,3) 3,0 63,0 ccw(c63,3) 66,3 66,74 ccw(c63,74) 63,77 ; 8.95,10.675 ccw(c9.7,10.675) 10.45,10.675 10.45,41.763 ccw(c9.7,41.763) 8.95,41.763 8.95,10.678 ; 26.664,26.996 cw(c26.664,27.746) 26.664,28.496 ; 26.664,27 32.057,27 32.1,26.957 32.1,21.71 32.1,21.139 ccw(c32.85,21.139) 33.6,21.139 33.6,27.74 32.84,28.5 26.664,28.5

## Other copper
Top Layer:
  rectangle net NetC18_2: 57.386,68.775 59.373,71.875
  rectangle net NetC18_2: 60.325,46.6 62.45,68.325
  rectangle net NetC18_2: 59,43.59 62.808,45.475
  rectangle net NetC18_2: 50.848,41.375 52.903,44.572
  rectangle net NetC18_2: 47.053,44.329 49.118,47.671
  rectangle net NetC11_2: 16.5,11 18.675,24.575
  rectangle net NetC10_2: 20.977,11 23.27,24.575
  text "1" at 64.946,28.629 h1.52 r90
Mid-Layer 2:
  text "3" at 64.946,31.679 h1.52 r90
Mid-Layer 3:
  text "4" at 64.946,33.329 h1.52 r90
Mid-Layer 1:
  text "2" at 64.946,29.954 h1.52 r90
Mid-Layer 4:
  text "5" at 64.946,35.104 h1.52 r90
Bottom Layer:
  text "6" at 64.946,36.729 h1.52 r90

## Silkscreen, mask and mechanical layers (free items; w line width, h text height)
Top Overlay:
  circle w1: c63,74 r2
  circle w1: c63,3 r2
  circle w1: c3,3 r2
  circle w1: c3,74 r2
  text "GND" at 24.079,75.087 h1
  text "VCC" at 39.979,75.087 h1
  text "HV_GND" at 42.054,1.021 h1
  text "HV_VCC" at 18.604,0.871 h1
Bottom Overlay:
  circle w1: c63,3 r2
  circle w1: c3,3 r2
  circle w1: c3,74 r2
  circle w1: c63,74 r2